# KiCad board mxm_immobilizer.kicad_pcb (continued)
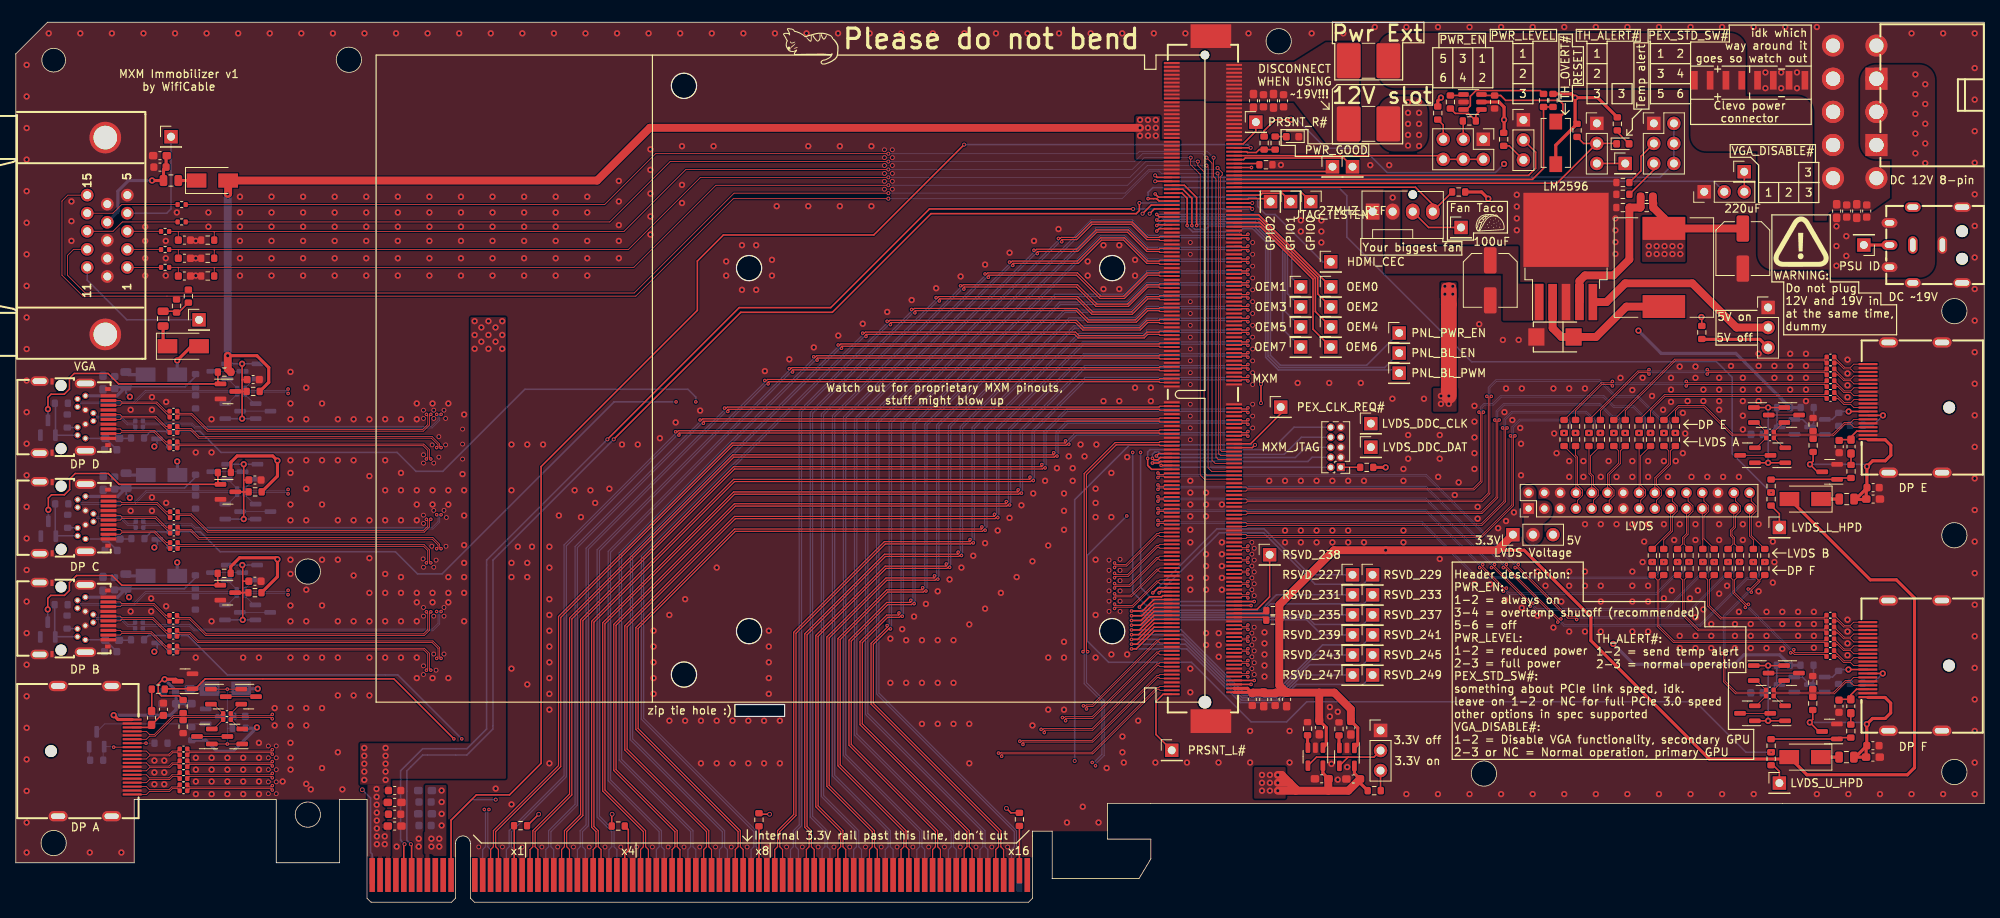
[diagram p0: board, top side]
## Routing (per net, layer and track width the routed paths; a pad name or vN(x,y) marks a point on that pad's centre or on a via; arc(x,y) is an arc through that point) (continued)
LVDS_UTX0/DP_F_L2-: length 69.9
  Top w0.1: v3(144.7,48.38) 144.88,48.2 145.43,48.2 145.58,48.35 MXM1.193
  Bottom w0.1: v3(207.33,43.12) 207.95,42.5 207.95,41.79 207.36,41.2 185.19,41.2 178.19,48.2 144.88,48.2 v3(144.7,48.38)
LVDS_UTX1+: length 8.2
  Top w0.1: J11.22 211.86,51.67 211.86,50.84 212.48,50.23 212.48,49.54 211.86,48.93 211.86,46.61 211.36,46.11 211.36,45.38 R95.2
LVDS_UTX1-: length 5.6
  Top w0.1: J11.21 211.65,46.7 211.15,46.19 211.15,45.38 R94.2
LVDS_UTX1/DP_F_L1+: length 75.9
  Top w0.1: v3(185.45,42.4) 185.7,42.4 188.45,39.65 v3(188.45,39.4) ; v3(144.7,49.32) 144.88,49.49 145.43,49.49 145.58,49.35 MXM1.189
  Bottom w0.1: v3(188.45,39.4) 188.7,39.4 189.11,38.99 207.89,38.99 210.34,41.45 210.89,41.45 211.35,41.91 211.35,42.5 v3(211.98,43.12) ; v3(144.7,49.32) 144.88,49.49 178.61,49.49 185.45,42.65 v3(185.45,42.4)
LVDS_UTX1/DP_F_L1-: length 75.6
  Top w0.1: v3(185.85,42.8) 185.85,42.55 188.6,39.8 v3(188.85,39.8) ; v3(144.7,49.88) 144.88,49.7 145.43,49.7 145.58,49.85 MXM1.187
  Bottom w0.1: v3(185.85,42.8) 185.6,42.8 178.69,49.7 144.88,49.7 v3(144.7,49.88) ; v3(210.53,43.12) 211.15,42.5 211.15,41.99 210.81,41.65 210.26,41.65 207.81,39.2 189.19,39.2 188.85,39.55 v3(188.85,39.8)
LVDS_UTX2+: length 8.3
  Top w0.1: J11.24 213.86,51.67 213.86,50.84 214.48,50.23 214.48,49.54 213.86,48.93 213.86,46.08 R91.2
LVDS_UTX2-: length 5.2
  Top w0.1: R90.2 213.73,45.91 213.65,45.99 J11.23
LVDS_UTX2/DP_F_L0+: length 81.4
  Top w0.1: v3(191.85,37.5) 191.85,37.75 187.2,42.4 v3(186.95,42.4) ; MXM1.183 145.58,50.85 145.43,50.99 144.88,50.99 v3(144.7,50.82)
  Bottom w0.1: v3(215.18,43.12) 214.55,42.5 214.55,41.91 214.09,41.45 213.54,41.45 209.09,36.99 192.61,36.99 192.1,37.5 v3(191.85,37.5) ; v3(186.95,42.4) 186.95,42.65 178.61,50.99 144.88,50.99 v3(144.7,50.82)
LVDS_UTX2/DP_F_L0-: length 81.1
  Top w0.1: v3(187.35,42.8) 187.35,42.55 192,37.9 v3(192.25,37.9) ; MXM1.181 145.58,51.35 145.43,51.2 144.88,51.2 v3(144.7,51.38)
  Bottom w0.1: v3(144.7,51.38) 144.88,51.2 178.69,51.2 187.1,42.8 v3(187.35,42.8) ; v3(213.73,43.12) 214.35,42.5 214.35,41.99 214.01,41.65 213.46,41.65 209.01,37.2 192.69,37.2 192.25,37.65 v3(192.25,37.9)
LVDS_UTX3+: length 8.4
  Top w0.1: R87.2 219.86,46.48 219.86,48.93 220.48,49.54 220.48,50.23 219.86,50.84 219.86,51.67 J11.30
LVDS_UTX3-: length 5.3
  Top w0.1: R86.2 220.13,45.91 219.65,46.39 J11.29
LVDS_UTX3/DP_F_AUX+: length 90.3
  Top w0.1: MXM1.177 145.58,52.35 145.43,52.49 144.88,52.49 v3(144.7,52.32) ; v3(195.35,35.5) 195.35,35.75 188.7,42.4 v3(188.45,42.4)
  Bottom w0.1: v3(221.58,43.12) 220.95,42.5 220.95,41.51 220.34,40.9 219.34,40.9 213.45,35 213.45,34.99 196.11,34.99 195.6,35.5 v3(195.35,35.5) ; v3(144.7,52.32) 144.88,52.49 178.61,52.49 188.45,42.65 v3(188.45,42.4)
LVDS_UTX3/DP_F_AUX-: length 90
  Top w0.1: MXM1.175 145.58,52.85 145.43,52.7 144.88,52.7 v3(144.7,52.88) ; v3(195.75,35.9) 195.5,35.9 188.85,42.55 v3(188.85,42.8)
  Bottom w0.1: v3(144.7,52.88) 144.88,52.7 178.69,52.7 188.6,42.8 v3(188.85,42.8) ; v3(220.12,43.12) 220.75,42.5 220.75,41.59 220.26,41.1 219.26,41.1 213.36,35.2 196.19,35.2 195.75,35.65 v3(195.75,35.9)
PERST#: length 151.8
  Top w0.2: v4(157,57.95) 156.65,57.6 MXM1.156
  In2.Cu w0.2: v4(134.15,17.9) 133.73,17.48 130.28,17.48 124.5,11.7 62.1,11.7 v4(60.8,13)
  Bottom w0.2: PCIe_x16_1.A11 55.15,10.4 57.75,13 v4(60.8,13) ; v4(157,57.95) 141.1,57.95 134.15,51 v4(134.15,17.9)
PEX_STD_SW#: length 73.8
  Top w0.2: MXM1.19 144.6,91.85 v4(144.35,92.1)
  Bottom w0.2: J1.2 J1.4 J1.6 208.31,91.85 144.6,91.85 v4(144.35,92.1)
PWR_EN: length 31.8
  Top w0.2: J5.2 J5.4 J5.6 180.38,94.6 MXM1.8
PWR_Ext:
  vias: v1(230.66,85.65) v1(230.66,83.15) v1(230.66,80.65) v1(231.91,84.4) v1(231.91,81.9) v1(240.66,104.9) v1(240.66,102.4) v1(240.66,99.9) v1(240.66,97.4) v1(240.66,94.9) v1(241.91,103.65) v1(241.91,101.15) v1(241.91,98.65) v1(241.91,96.15) v1(241.91,93.65)
PWR_GOOD: length 5.4
  Top w0.2: R46.1 R44.2 157.53,95.37 157.15,95 156.05,95 155.95,95.1 MXM1.6
PWR_LEVEL: length 42.8
  Top w0.2: MXM1.18 191.65,92.1 192.55,93 192.55,95.04 J4.2
REFCLK+: length 140.4
  Top w0.15: v3(135.8,31.75) 135.65,31.9 135.65,54.19 139.41,57.95 144.84,57.95 144.95,57.85 MXM1.155
  In2.Cu w0.15: v3(59.36,11.75) 59.5,11.6 59.5,11.29 60.44,10.35 125.16,10.35 131.44,16.63 135.92,16.63 136.58,17.29 v3(136.79,17.29)
  Bottom w0.15: v3(136.79,17.29) 136.79,17.5 137.9,18.61 137.9,25.56 135.65,27.81 135.65,31.6 v3(135.8,31.75) ; v3(59.36,11.75) 59.5,11.6 59.5,7.03 59.15,6.68 PCIe_x16_1.A13
REFCLK-: length 139.9
  Top w0.15: v3(135.21,31.75) 135.36,31.9 135.36,54.31 139.29,58.24 144.84,58.24 144.95,58.35 MXM1.153
  In2.Cu w0.15: v3(136.37,17.71) 136.37,17.5 135.8,16.92 131.32,16.92 125.04,10.64 60.56,10.64 59.8,11.41 59.8,11.6 v3(59.94,11.75)
  Bottom w0.15: PCIe_x16_1.A14 60.15,6.68 59.8,7.03 59.8,11.6 v3(59.94,11.75) ; v3(135.21,31.75) 135.36,31.6 135.36,27.69 137.61,25.44 137.61,18.73 136.58,17.71 v3(136.37,17.71)
SMB_CLK: length 165.8
  Top w0.2: PCIe_x16_1.B5 49.15,7.25 v4(49.25,7.35) ; MXM1.34 156.4,88.1 v4(156.65,87.85) ; v4(141.55,87.85) 115.75,87.85 103.25,75.35 91.65,75.35 v4(74.95,58.65)
  Bottom w0.2: v4(49.25,7.35) 48.75,7.85 48.75,16.65 51.55,19.45 57.15,19.45 59.65,21.95 59.65,43.35 v4(74.95,58.65) ; v4(156.65,87.85) v4(141.55,87.85)
SMB_DAT: length 165.7
  Top w0.2: v4(156.65,88.6) MXM1.32 ; v4(142.35,88.6) 142.35,87.65 141.95,87.25 115.95,87.25 103.45,74.75 91.85,74.75 v4(75.75,58.65) ; v4(50.05,7.35) 50.15,7.25 PCIe_x16_1.B6
  Bottom w0.2: v4(75.75,58.65) 60.45,43.35 60.45,21.95 57.15,18.65 51.55,18.65 49.55,16.65 49.55,7.85 v4(50.05,7.35) ; v4(156.65,88.6) v4(142.35,88.6)
TH_ALERT#: length 53.4
  Top w0.2: J6.2 198.63,96.15 R47.2 ; J6.2 195.25,91.1 MXM1.22 ; J6.2 202.76,96.15 D12.1
TH_OVERT#: length 48.8
  Top w0.2: MXM1.20 192.15,91.6 193.55,93 R48.1 R45.2
TH_OVERT#_TOGGLE: length 2.3
  Top w0.2: R77.2 183.38,98.94 J5.3
VGA_BLUE: length 180.7
  Top w0.1: 20.6,85 20.59,84.99 C3.2 ; 20.6,85 FB1.2 ; 20.6,85 25.1,85 ; v4(148.85,94.35) 148.85,93.45 150.05,92.25 150.05,54.15 150.6,53.6 MXM1.172 ; 25.1,85 77.05,85 84.9,92.85 v4(110.55,92.85) ; 25.1,85 25.14,84.96 R7.2
  Bottom w0.1: v4(110.55,92.85) 141.45,92.85 142.95,94.35 v4(148.85,94.35)
VGA_DISABLE#: length 74.7
  Top w0.2: v4(144.35,91.35) MXM1.21
  Bottom w0.2: v4(144.35,91.35) 215.12,91.35 J2.2
VGA_GREEN: length 180.8
  Top w0.1: 20.6,82.7 FB2.2 ; 20.6,82.7 20.59,82.69 C44.2 ; 20.6,82.7 25.1,82.7 ; 25.1,82.7 77.6,82.7 86.75,91.85 v4(110.55,91.85) ; 25.1,82.7 25.14,82.66 R11.2 ; MXM1.170 150.9,54.1 150.55,54.45 150.55,92.55 149.75,93.35 v4(149.75,93.85)
  Bottom w0.1: v4(110.55,91.85) 141.15,91.85 143.15,93.85 v4(149.75,93.85)
VGA_HSYNC: length 174.7
  Top w0.1: v4(150.85,94.35) 151.55,93.65 151.55,56 151.95,55.6 MXM1.164 ; v4(110.55,93.85) 82.9,93.85 75.25,86.2 FB4.2
  Bottom w0.1: v4(110.55,93.85) 141.75,93.85 142.75,94.85 150.35,94.85 v4(150.85,94.35)
VGA_RED: length 180.9
  Top w0.1: FB3.2 20.55,80.45 ; 20.55,80.45 25.15,80.45 ; 20.55,80.45 20.59,80.41 C48.2 ; v4(150.85,93.35) 151.05,93.15 151.05,55.05 151.5,54.6 MXM1.168 ; 25.15,80.45 25.14,80.44 R13.2 ; 25.15,80.45 78.3,80.45 88.7,90.85 v4(110.55,90.85)
  Bottom w0.1: v4(150.85,93.35) 143.35,93.35 140.85,90.85 v4(110.55,90.85)
VGA_SCL: length 204.7
  Top w0.1: v4(110.55,89.15) 90.9,89.15 78.55,76.8 19.15,76.8 8.5,76.8 5.85,79.45 5.85,88.85 6.6,89.6 VGA1.15 ; v4(152.25,92.35) 152.4,92.2 152.4,56.85 152.65,56.6 MXM1.160
  Bottom w0.1: v4(152.25,92.35) 145.15,92.35 144.85,92.65 143.65,92.65 140.15,89.15 v4(110.55,89.15)
VGA_SDA: length 196.4
  Top w0.1: v4(110.55,89.85) 91,89.85 78.35,77.2 8.8,77.2 6.55,79.45 6.55,81.95 7.33,82.73 VGA1.12 ; v4(152.25,93.05) 152.85,92.45 152.85,92.15 152.65,91.95 152.65,57.25 152.8,57.1 MXM1.158
  Bottom w0.1: v4(152.25,93.05) 152.05,92.85 143.55,92.85 140.55,89.85 v4(110.55,89.85)
VGA_VSYNC: length 173.9
  Top w0.1: v4(110.55,94.85) 81.05,94.85 74.6,88.4 FB5.2 ; v4(151.75,94.35) 151.75,91.95 152.05,91.65 152.05,56.4 152.35,56.1 MXM1.162
  Bottom w0.1: v4(151.75,94.35) 150.95,95.15 142.35,95.15 142.05,94.85 v4(110.55,94.85)
WAKE#: length 171.7
  Top w0.2: v4(120.15,96) 108.7,84.55 89.65,84.55 86.35,81.25 86.35,75 66.55,55.2 66.55,17.6 62.55,13.6 58.35,13.6 55.15,10.4 PCIe_x16_1.B11 ; v4(156.45,95.6) MXM1.4
  Bottom w0.2: v4(120.15,96) 156.05,96 v4(156.45,95.6)
Net-(C17-Pad1): length 4.6
  Bottom w0.2: C17.1 L1.1 mDP_D1.2
Net-(C26-Pad1): length 4.6
  Bottom w0.2: 8.83,46.02 L2.1 C26.1
Net-(C35-Pad1): length 4.6
  Bottom w0.2: mDP_B1.2 11.28,33.25 L3.1 11.35,33.2 C35.1
Net-(C49-Pad2): length 4.6
  Top w0.2: C49.2 18.4,23.67 L4.1 16.88,22.15 DP_A1.18
Net-(C58-Pad2): length 16.8
  Top w0.2: Q5.3 28.63,64.72 ; 28.63,64.72 R24.1 ; 28.63,64.72 28.68,64.67 ; 28.68,64.67 28.68,66.17 ; 28.68,64.67 v1(28.68,61.27) ; 28.68,66.17 28.72,66.22 C58.2 ; 28.68,66.17 v1(28.68,68.22)
  Bottom w0.2: Q18.1 Q10.1 ; Q17.1 v1(28.68,68.22) Q9.1
Net-(C59-Pad2): length 17
  Top w0.2: 28.88,53.5 28.88,51.95 ; 28.88,53.5 v1(28.88,55.5) ; 28.88,53.5 C59.2 ; 28.88,51.95 28.93,52 R27.1 ; 28.88,51.95 v1(28.88,48.55) ; 28.88,51.95 28.82,52 Q6.3
  Bottom w0.2: Q20.1 v1(28.88,48.55) Q12.1 ; Q19.1 v1(28.88,55.5) Q11.1
Net-(C60-Pad2): length 17.3
  Top w0.2: 28.75,40.72 28.8,40.67 C60.2 ; 28.75,40.72 28.75,39.12 ; 28.75,40.72 28.75,42.67 ; 28.75,39.12 v1(28.75,35.77) ; 28.75,39.12 28.65,39.22 ; R30.1 28.65,39.22 ; 28.65,39.22 Q7.3 ; 28.75,42.72 28.7,42.77
  Bottom w0.2: Q21.1 v1(28.7,42.72) Q13.1 ; Q22.1 v1(28.75,35.77) Q14.1
Net-(C61-Pad2): length 16.9
  Top w0.1: Q24.1 v3(26.8,20.05) Q16.1 ; Q23.1 v3(26.8,27) Q15.1
  Bottom w0.1: C61.2 26.8,23.55 ; 26.8,23.55 Q8.3 ; 26.8,23.55 v3(26.8,27) ; 26.8,23.55 26.8,22.05 ; R33.1 26.8,22.05 ; 26.8,22.05 v3(26.8,20.05)
Net-(C79-Pad2): length 19.8
  Top w0.2: Q29.1 v1(222,62.68) Q25.1 ; Q30.1 v1(222,55.68) Q26.1
  Bottom w0.2: R106.1 223.13,60.57 Q33.3 222.95,60.23 222,59.28 ; 222,59.28 C79.2 ; 222,59.28 v1(222,62.68) ; 222,59.28 v1(222,55.68)
Net-(C80-Pad2): length 19.8
  Top w0.2: Q31.1 v1(222.01,29.99) Q27.1 ; Q28.1 Q32.1
  Bottom w0.2: 222.01,26.51 221.98,26.54 C80.2 ; 222.01,26.51 v1(222.01,29.99) ; 222.01,26.51 223.08,27.59 Q34.3 223.11,27.92 R109.1 ; 222.01,26.51 v1(222.01,22.99)
Net-(C93-Pad2): length 4.4
  Top w0.2: DP_E1.18 233.22,59.68 232.5,58.97 L6.1 231.1,58.61 C93.2
Net-(C94-Pad2): length 4.6
  Top w0.2: DP_F1.18 233.2,26.99 232.48,26.27 L7.1 231.08,25.71 C94.2
Net-(C116-Pad1): length 19.5
  Top w1: C116.1 205.85,88.07 R118.2 R121.1 204.43,81.45 202.4,79.42 198.8,79.42 198.1,78.72 U4.4
Net-(D1-Pad1): length 2.3
  Top w0.4: F1.2 D1.1
Net-(D2-Pad1): length 2.6
  Bottom w0.4: F2.1 14.19,41.35 D2.1
Net-(D3-Pad1): length 2.5
  Bottom w0.4: D3.1 22.11,27.05 F3.1
Net-(D4-Pad1): length 2.6
  Bottom w0.4: D4.1 14.29,66.85 F4.1
Net-(D5-Pad1): length 2.6
  Bottom w0.4: F5.1 14.21,54.12 D5.1
Net-(D6-Pad1): length 2.8
  Top w0.4: 19.21,70.46 18.67,71.01 F6.1
Net-(D11-Pad2): length 1.4
  Top w0.2: D11.2 160.94,97.02 R46.2
Net-(D12-Pad2): length 2.3
  Top w0.2: R71.2 202.9,97.59 D12.2
Net-(D15-Pad1): length 19.5
  Top w1: U4.2 194.7,72.75 195.83,71.62 D15.1 200.2,71.62 204.05,75.47 L5.1
Net-(D16-Pad1): length 2.3
  Top w0.4: F7.1 D16.1
Net-(D17-Pad1): length 2.3
  Top w0.4: D17.1 F8.1
Net-(DC1-Pad4): length 3.3
  Top w0.4: TP39.1 DC1.4
Net-(DP_A1-Pad13): length 5.3
  Top w0.1: DP_A1.13 v3(12.4,19.65)
  Bottom w0.1: v3(12.4,19.65) 12.34,19.71 Q4.1 11.07,19.59 11.07,18
Net-(DP_A1-Pad14): length 2.8
  Top w0.1: v3(16.5,20.15) DP_A1.14
  Bottom w0.1: R3.2 v3(16.5,20.15)
Net-(DP_E1-Pad13): length 5.9
  Top w0.2: DP_E1.13 v1(232.2,62.18)
  Bottom w0.2: Q35.1 230.12,61.18 R114.1 231.13,62.18 v1(232.2,62.18)
Net-(DP_E1-Pad14): length 4.9
  Top w0.2: DP_E1.14 v1(236.55,61.68)
  Bottom w0.2: R119.2 235.3,60.43 v1(236.55,61.68)
Net-(DP_F1-Pad13): length 5.9
  Top w0.2: DP_F1.13 v1(232.18,29.49)
  Bottom w0.2: Q36.1 230.16,28.54 R115.1 231.11,29.49 v1(232.18,29.49)
Net-(DP_F1-Pad14): length 4.9
  Top w0.2: DP_F1.14 v1(236.53,28.99)
  Bottom w0.2: R120.2 235.28,27.74 v1(236.53,28.99)
Net-(FB1-Pad1): length 4.3
  Top w0.1: VGA1.3 18.39,85.02 FB1.1
Net-(FB2-Pad1): length 4.3
  Top w0.1: VGA1.2 18.38,82.73 FB2.1
Net-(FB3-Pad1): length 4.3
  Top w0.1: VGA1.1 18.39,80.44 FB3.1
Net-(FB4-Pad1): length 11.9
  Top w0.1: VGA1.13 12.32,85.02 13.5,86.2 FB4.1
Net-(FB5-Pad1): length 11.9
  Top w0.1: VGA1.14 12.31,87.31 13.4,88.4 FB5.1
Net-(J1-Pad3): length 6.2
  Top w0.2: J1.3 205.9,94.52 205.9,92.67 R35.2
Net-(J1-Pad5): length 5.2
  Top w0.2: R34.2 207.53,92.8 J1.5
Net-(J2-Pad3): length 2.5
  Top w0.2: TP3.1 218.99,92.55 J2.3
Net-(J3-Pad2): length 11.6
  Top w0.2: 168.8,18.39 172.06,18.39 J3.2 ; 168.8,18.39 164.79,18.39 U2.4 ; 168.8,18.39 U1.4
Net-(J3-Pad3): length 2.6
  Top w0.2: J3.3 172.9,14.16 R41.1
Net-(J4-Pad3): length 3.2
  Top w0.2: J4.3 189.21,95.84 R43.2
Net-(J5-Pad5): length 2.8
  Top w0.2: J5.5 180.84,98.48 R72.2
Net-(J6-Pad3): length 3.6
  Top w0.2: TP38.1 J6.3
Net-(J8-Pad1): length 2.5
  Top w0.2: J8.1 170.31,55.11 R100.1
Net-(J9-Pad2): length 25.5
  Top w1: U4.5 201.53,76.05 203.9,78.42 212.4,78.42 218,72.82 J9.2
Net-(J9-Pad3): length 8.9
  Top w0.4: J9.3 220.96,71.32 213.65,71.32 R101.1
Net-(L1-Pad2): length 1.5
  Bottom w0.2: R4.2 14.55,58.77 L1.2
Net-(L2-Pad2): length 1.5
  Bottom w0.2: R5.2 14.6,46.02 L2.2
Net-(L3-Pad2): length 1.5
  Bottom w0.2: R6.2 14.55,33.2 L3.2
Net-(L4-Pad2): length 2.8
  Top w0.2: R12.2 17.22,24.25 L4.2
Net-(L6-Pad2): length 1.4
  Top w0.2: L6.2 R116.2
Net-(L7-Pad2): length 1.4
  Top w0.2: L7.2 R117.2
Net-(M1-Pad3): length 7
  Top w0.2: TP37.1 178.99,85.5 M1.3
Net-(MXM1-Pad2): length 4.6
  Top w0.2: MXM1.2 155.5,96.1 157.1,97.7 TP26.1
Net-(MXM1-Pad10): length 15.5
  Top w0.2: MXM1.10 155.55,94.1 155.75,94.3 168.25,94.3 TP27.1
Net-(MXM1-Pad12): length 3.3
  Top w0.2: 157.56,93.45 157.41,93.6 MXM1.12
Net-(MXM1-Pad16): length 12.7
  Top w0.2: MXM1.16 166.21,92.6 TP28.1
Net-(MXM1-Pad23): length 50.8
  Top w0.2: MXM1.23 148.05,90.85 149.6,89.3 v3(149.6,85.75)
  Bottom w0.2: v3(149.6,85.75) 149.8,85.95 156.95,85.95 158.95,83.96 158.95,69.3 160.2,68.05 171.15,68.05 175.23,72.13 TP4.1
Net-(MXM1-Pad25): length 49.9
  Top w0.2: v3(149,85.75) 149,89.2 147.85,90.35 MXM1.25
  Bottom w0.2: TP5.1 173.42,67.75 160.07,67.75 158.65,69.17 158.65,83.83 156.83,85.65 151.15,85.65 150.75,85.25 149.4,85.25 149,85.65 v3(149,85.75)
Net-(MXM1-Pad26): length 10.3
  Top w0.2: MXM1.26 154.37,90.12 162.7,90.12 TP29.1
Net-(MXM1-Pad27): length 49.3
  Top w0.2: MXM1.27 147.75,89.85 148.4,89.2 v3(148.4,85.75)
  Bottom w0.2: TP6.1 174.86,67.45 159.95,67.45 158.35,69.05 158.35,83.71 156.71,85.35 155.45,85.35 155.05,84.95 149.1,84.95 148.4,85.65 v3(148.4,85.75)
Net-(MXM1-Pad28): length 7.7
  Top w0.2: MXM1.28 157.7,89.6 157.92,89.82 160.46,89.82 TP30.1
Net-(MXM1-Pad29): length 28.6
  Top w0.2: v3(144.35,89.75) 144.75,89.35 MXM1.29
  Bottom w0.2: v3(144.35,89.75) 144.75,89.35 157.05,89.35 157.35,89.05 157.35,88.15 158.35,87.15 159.55,87.15 165.55,81.15 TP7.1
Net-(MXM1-Pad30): length 4.8
  Top w0.2: MXM1.30 156.1,89.1 156.15,89.15 158.59,89.15 TP31.1
Net-(MXM1-Pad38): length 16
  Top w0.2: MXM1.38 157.47,87.1 TP32.1
Net-(MXM1-Pad39): length 26.3
  Top w0.2: v3(144.55,87.15) 144.85,86.85 MXM1.39
  Bottom w0.2: v3(144.55,87.15) 157.45,87.15 161.65,82.95 161.65,79.11 TP8.1
Net-(MXM1-Pad40): length 18.1
  Top w0.2: MXM1.40 157.55,86.6 164.95,79.2 164.95,77.08 TP33.1
Net-(MXM1-Pad41): length 28.6
  Top w0.2: v3(144.55,86.45) 144.65,86.35 MXM1.41
  Bottom w0.2: TP9.1 161.1,77.12 161.1,83.08 157.33,86.85 144.95,86.85 v3(144.55,86.45)
Net-(MXM1-Pad42): length 20.2
  Top w0.2: MXM1.42 157.62,86.1 164.65,79.07 164.65,74.84 TP34.1
Net-(MXM1-Pad43): length 30.9
  Top w0.2: MXM1.43 144.65,85.85 v3(144.55,85.75)
  Bottom w0.2: TP10.1 160.8,74.88 160.8,82.95 157.2,86.55 145.35,86.55 v3(144.55,85.75)
Net-(MXM1-Pad44): length 22.3
  Top w0.2: TP35.1 164.35,72.6 164.35,78.95 157.7,85.6 MXM1.44
Net-(MXM1-Pad45): length 33.3
  Top w0.2: v3(144.55,85.05) 144.85,85.35 MXM1.45
  Bottom w0.2: TP11.1 160.5,72.64 160.5,82.83 157.08,86.25 145.75,86.25 v3(144.55,85.05)
Net-(MXM1-Pad154): length 8.3
  Top w0.2: MXM1.154 156.45,58.1 160.25,61.9 TP36.1
Net-(MXM1-Pad227): length 33.7
  Top w0.2: MXM1.227 144.7,39.85 v3(144.05,39.2)
  Bottom w0.2: v3(144.05,39.2) 152.15,47.3 158.15,47.3 163.96,41.49 TP12.1
Net-(MXM1-Pad229): length 35
  Top w0.2: MXM1.229 145,39.35 v3(144.85,39.2)
  Bottom w0.2: TP13.1 170.7,40.3 164.6,40.3 158.1,46.8 152.45,46.8 v3(144.85,39.2)
Net-(MXM1-Pad231): length 32.7
  Top w0.2: v3(142.35,37.4) 143.65,38.7 145.15,38.7 145.3,38.85 MXM1.231
  Bottom w0.2: TP14.1 159.7,38.95 157.75,37 142.75,37 v3(142.35,37.4)
Net-(MXM1-Pad233): length 37.3
  Top w0.2: MXM1.233 144.2,38.35 142.75,36.9 v3(141.35,36.9)
  Bottom w0.2: TP15.1 170.74,37.8 158.97,37.8 157.87,36.7 142.55,36.7 142.35,36.9 v3(141.35,36.9)
Net-(MXM1-Pad235): length 33.8
  Top w0.2: MXM1.235 144.2,37.85 142.65,36.3 v3(141.35,36.3)
  Bottom w0.2: v3(141.35,36.3) 142.55,36.3 142.65,36.4 165.55,36.4 165.56,36.41 TP16.1
Net-(MXM1-Pad237): length 37.4
  Top w0.2: MXM1.237 144.2,37.35 142.55,35.7 v3(141.35,35.7)
  Bottom w0.2: v3(141.35,35.7) 142.65,35.7 143.05,36.1 163.65,36.1 164.55,35.2 170.68,35.2 TP17.1
Net-(MXM1-Pad238): length 10.5
  Top w0.2: MXM1.238 157.25,37.1 158.85,38.7 TP25.1
Net-(MXM1-Pad239): length 34.9
  Top w0.2: MXM1.239 144.2,36.85 142.45,35.1 v3(141.35,35.1)
  Bottom w0.2: v3(141.35,35.1) 142.65,35.1 143.35,35.8 163.53,35.8 165.46,33.87 TP18.1
Net-(MXM1-Pad240): length 4.2
  Top w0.2: MXM1.240 158.09,36.6 158.44,36.95
Net-(MXM1-Pad241): length 42.8
  Top w0.2: v3(141.35,34.5) 142.35,34.5 144.2,36.35 MXM1.241
  Bottom w0.2: TP19.1 170.62,32.6 165.55,32.6 159.45,26.5 155.65,26.5 147.65,34.5 v3(141.35,34.5)
Net-(MXM1-Pad242): length 4.2
  Top w0.2: R38.1 158.08,36.1 MXM1.242
Net-(MXM1-Pad243): length 39.2
  Top w0.2: v3(141.35,33.9) 142.25,33.9 144.2,35.85 MXM1.243
  Bottom w0.2: v3(141.35,33.9) 147.83,33.9 155.53,26.2 159.57,26.2 164.7,31.33 TP20.1
Net-(MXM1-Pad245): length 41.8
  Top w0.2: MXM1.245 144.2,35.35 142.15,33.3 v3(141.35,33.3)
  Bottom w0.2: TP21.1 170.66,30.1 163.9,30.1 159.7,25.9 155.4,25.9 148,33.3 v3(141.35,33.3)
Net-(MXM1-Pad247): length 38.3
  Top w0.2: v3(141.35,32.7) 142.05,32.7 144.2,34.85 MXM1.247
  Bottom w0.2: v3(141.35,32.7) 148.18,32.7 155.28,25.6 159.82,25.6 163.01,28.79 TP22.1
Net-(MXM1-Pad249): length 40.8
  Top w0.2: v3(141.35,32.1) 141.95,32.1 144.2,34.35 MXM1.249
  Bottom w0.2: TP23.1 170.7,27.6 162.24,27.6 159.94,25.3 155.16,25.3 148.36,32.1 v3(141.35,32.1)
Net-(MXM1-Pad281): length 9.4
  Top w0.2: TP24.1 144.45,21.25 144.45,25.45 145.35,26.35 MXM1.281
Net-(PCIe_x16_1-PadA1): length 110.8
  Top w0.2: v2(95.5,11.15) 94.27,11.15 R104.2 ; 64.77,9.7 64.8,9.7 v2(66.25,11.15) ; R103.2 75.5,11.1 v2(75.55,11.15) ; v2(125.5,11.9) 126.08,11.32 127.15,11.32
  In2.Cu w0.2: v2(43.9,14.25) 43.55,14.25 43.1,14.7 43.1,20.25 43.3,20.45 52.25,20.45 61.55,11.15 v2(66.25,11.15) v2(75.55,11.15) v2(95.5,11.15) 124.75,11.15 v2(125.5,11.9)
  Bottom w0.2: v2(43.9,14.25) 44.95,13.2 44.95,6.3 45.15,6.1 PCIe_x16_1.A1
Net-(PCIe_x16_1-PadB17): length 6.3
  Top w0.2: R102.1 63.15,9.67 PCIe_x16_1.B17
Net-(PCIe_x16_1-PadB31): length 6.6
  Top w0.2: PCIe_x16_1.B31 77.15,6.1 77.6,6.55 77.6,9.2 R103.1
Net-(PCIe_x16_1-PadB48): length 6.2
  Top w0.2: PCIe_x16_1.B48 R104.1
Net-(PCIe_x16_1-PadB81): length 5.7
  Top w0.2: PCIe_x16_1.B81 R105.1
Net-(Q1-Pad1): length 6.9
  Bottom w0.2: mDP_D1.4 5.04,59.17 5.03,59.19 5.03,63.15 R15.2
Net-(Q1-Pad3): length 29.3
  Top w0.2: v1(4.07,62.47) 4.07,63.97 4.48,64.37 6.15,64.37 6.8,65.03 6.8,66.4 7.4,67 11.7,67 13.03,65.67 Q5.1 ; Q5.1 25.74,65.87 ; Q5.1 25.6,66.01 R19.1
  Bottom w0.2: v1(4.07,62.47) Q1.3
Net-(Q2-Pad1): length 6.9
  Bottom w0.2: R16.2 5,46.46 Q2.1 5.11,46.42 7.83,46.42
Net-(Q2-Pad3): length 29.3
  Top w0.2: 25.72,53.15 25.93,52.95 Q6.1 ; Q6.1 13.1,52.95 11.72,54.32 7.53,54.32 6.82,53.62 6.82,52.29 6.16,51.62 4.53,51.62 4.12,51.22 v1(4.12,49.72) ; Q6.1 25.6,53.29 R20.1
  Bottom w0.2: v1(4.12,49.72) Q2.3
Net-(Q3-Pad1): length 7
  Bottom w0.2: R17.2 4.93,33.69 Q3.1 5.04,33.65 mDP_B1.4
Net-(Q3-Pad3): length 29.1
  Top w0.2: Q7.1 13.43,40.17 12.2,41.4 7.7,41.4 6.8,40.5 6.8,39.51 6.17,38.88 4.43,38.88 4.05,38.5 v1(4.05,37.1) ; Q7.1 25.57,40.51 R21.1 ; Q7.1 25.9,40.17 25.7,40.37
  Bottom w0.2: Q3.3 v1(4.05,37.1)
Net-(Q4-Pad3): length 14.2
  Bottom w0.1: Q4.3 11.26,22.6 Q8.1
Net-(Q10-Pad3): length 3.9
  Bottom w0.1: Q10.3 Q18.3
Net-(Q11-Pad3): length 3.9
  Bottom w0.1: Q11.3 Q19.3
Net-(Q12-Pad3): length 3.9
  Bottom w0.1: Q12.3 Q20.3
Net-(Q13-Pad3): length 3.9
  Bottom w0.1: Q13.3 Q21.3
Net-(Q14-Pad3): length 3.8
  Bottom w0.1: Q14.3 Q22.3
Net-(Q15-Pad3): length 3.8
  Top w0.1: Q23.3 Q15.3
Net-(Q16-Pad3): length 3.9
  Top w0.1: Q24.3 Q16.3
Net-(Q17-Pad3): length 3.9
  Bottom w0.1: Q9.3 Q17.3
Net-(Q25-Pad3): length 3.8
  Top w0.1: Q25.3 Q29.3
Net-(Q26-Pad3): length 3.8
  Top w0.1: Q26.3 Q30.3
Net-(Q27-Pad3): length 3.8
  Top w0.1: Q27.3 Q31.3
Net-(Q28-Pad3): length 3.8
  Top w0.1: Q32.3 Q28.3
Net-(Q33-Pad1): length 5
  Bottom w0.2: R112.1 227.78,60.69 Q35.3 226.36,61.18 Q33.1
Net-(Q34-Pad1): length 5
  Bottom w0.2: R113.1 227.76,28.05 Q36.3 226.34,28.54 Q34.1
Net-(R8-Pad2): length 1.3
  Bottom w0.2: R8.2 7.8,60.15 mDP_D1.6
Net-(R9-Pad2): length 1.3
  Bottom w0.2: 7.83,47.42 7.81,47.45 R9.2
Net-(R10-Pad2): length 1.3
  Bottom w0.2: mDP_B1.6 7.79,34.67 R10.2
Net-(R48-Pad2): length 12
  Top w0.2: R48.2 193.13,102.85 185,102.85 184.27,102.12 184.27,100.92 183.8,100.45 U3.3
Net-(R73-Pad1): length 13.4
  Top w0.2: U3.6 185.81,102.22 R73.1 188.12,102.22 188.75,101.6 195.55,101.6 196,101.15 196,99.82 SW1.2
Net-(R74-Pad2): length 1.6
  Top w0.4: R74.2 167.64,19.6 U1.3
Net-(R75-Pad2): length 1.6
  Top w0.4: U2.3 163.65,19.62 R75.2
Net-(R76-Pad1): length 5.6
  Top w0.2: R76.1 182.37,99.95 184.02,99.95 R77.1 184.98,99.74 U3.4
Net-(R76-Pad2): length 1.7
  Top w0.2: R76.2 183.29,102.22 U3.1
Net-(TP1-Pad1): length 14.9
  Bottom w0.2: TP1.1 19.67,87.85 19.13,87.31 VGA1.4
Net-(TP2-Pad1): length 17.9
  Bottom w0.2: VGA1.11 9.05,78.81 14.07,73.8 TP2.1

## Copper pours and planes (outline as drawn; the poured copper is in the pictures)
3V3_SLOT on Top: 182.55,62.15 179.55,62.15 179.55,65.15 182.55,65.15
3V3_SLOT on Top: 160.88,13.13 156.88,13.13 156.88,17.13 160.88,17.13
3V3_SLOT on Top: 182.55,76.55 180.55,76.55 180.55,78.55 182.55,78.55
3V3_SLOT on Top: 54.55,5.85 52.55,5.85 52.55,5.55 51.75,5.55 51.75,8.95 51.85,8.95 51.85,14.85 54.55,14.85
3V3_SLOT on Bottom: 54.55,5.55 52.75,5.55 52.75,5.85 51.75,5.85 51.75,8.95 51.85,8.95 51.85,14.85 54.55,14.85
3V3_SLOT on In3.Cu: 160.88,13.13 156.88,13.13 156.88,17.13 160.88,17.13
3V3_SLOT on In3.Cu: 182.55,76.55 180.55,76.55 180.55,78.55 182.55,78.55
3V3_SLOT on In3.Cu: 182.55,62.15 179.55,62.15 179.55,65.15 182.55,65.15
5V_REG on Top: 211.53,81.13 206.03,81.13 206.03,86.88 211.53,86.88
5V_REG on Top: 144.98,96.53 147.48,96.53 147.48,94.13 141.88,94.13 141.88,99.63 144.98,99.63
5V_REG on In3.Cu: 211.53,81.13 206.03,81.13 206.03,86.88 211.53,86.88
5V_REG on In3.Cu: 144.98,96.63 141.88,96.63 141.88,99.63 144.98,99.63
12V_SLOT on Top: 62.1,15.65 47.5,15.65 47.5,14.9 43.6,14.9 43.6,20.15 57.6,20.15 57.6,74.15 62.1,74.15
12V_SLOT on Top: 47.5,5.55 44.55,5.55 44.55,14.9 47.5,14.9
12V_SLOT on Top: 175.43,83.13 190.38,83.13 190.38,78.38 193.58,78.38 193.58,73.68 188.38,73.68 188.38,79.63 173.43,79.63 173.43,90.13 175.43,90.13
12V_SLOT on Top: 178.88,95.13 172.63,95.13 172.63,102.13 178.88,102.13
12V_SLOT on Bottom: 178.88,95.13 172.63,95.13 172.63,96.23 167.13,96.23 163.38,101.63 105.38,101.63 73.38,69.63 57.63,69.63 57.63,74.13 70.88,74.13 102.88,106.13 167.38,106.13 170.13,102.13 178.88,102.13
12V_SLOT on Bottom: 47.5,14.9 43.6,14.9 43.6,20.15 47.5,20.15
12V_SLOT on Bottom: 47.5,5.55 45.25,5.55 45.25,14.9 47.5,14.9
12V_SLOT on In3.Cu: 178.88,95.13 175.38,95.13 175.38,102.13 178.88,102.13
GND on Top: 249.35,12.5 138.3,12.5 138.3,9 128.8,9 128.8,5.55 57.6,5.55 57.6,7.45 57.4,8.2 56.65,8.4 55.9,8.2 55.7,7.45 55.7,5.55 44.5,5.55 44.5,13 14.98,13 14.98,5.03 -0.02,5.03 -0.02,107.5 3.98,111.5 249.35,111.5
GND on Bottom: 249.35,12.5 138.3,12.5 138.3,9 128.8,9 128.8,5.55 57.6,5.55 57.6,7.45 57.4,8.2 56.65,8.4 55.9,8.2 55.7,7.45 55.7,5.55 44.5,5.55 44.5,13 14.98,13 14.98,5.03 -0.02,5.03 -0.02,107.5 3.98,111.5 249.35,111.5
GND on In1.Cu: 249.35,12.5 138.3,12.5 138.3,9 128.8,9 128.8,5.55 57.6,5.55 57.6,7.45 57.4,8.2 56.65,8.4 55.9,8.2 55.7,7.45 55.7,5.55 44.5,5.55 44.5,13 14.98,13 14.98,5.03 -0.02,5.03 -0.02,107.5 3.98,111.5 249.35,111.5
GND on In2.Cu: 249.34,12.51 138.29,12.51 138.29,9.01 128.79,9.01 128.79,5.56 57.59,5.56 57.59,7.46 57.39,8.21 56.64,8.41 55.89,8.21 55.69,7.46 55.69,5.56 44.49,5.56 44.49,13.01 14.97,13.01 14.97,5.04 -0.03,5.04 -0.03,107.51 3.97,111.51 249.34,111.51
GND on In3.Cu: 249.35,12.5 138.3,12.5 138.3,9 128.8,9 128.8,5.55 57.6,5.55 57.6,7.45 57.4,8.2 56.65,8.4 55.9,8.2 55.7,7.45 55.7,5.55 44.5,5.55 44.5,13 14.98,13 14.98,5.03 -0.02,5.03 -0.02,107.5 3.98,111.5 249.35,111.5
